# KiCad board FPGA-BOARDver3.kicad_pcb (continued)
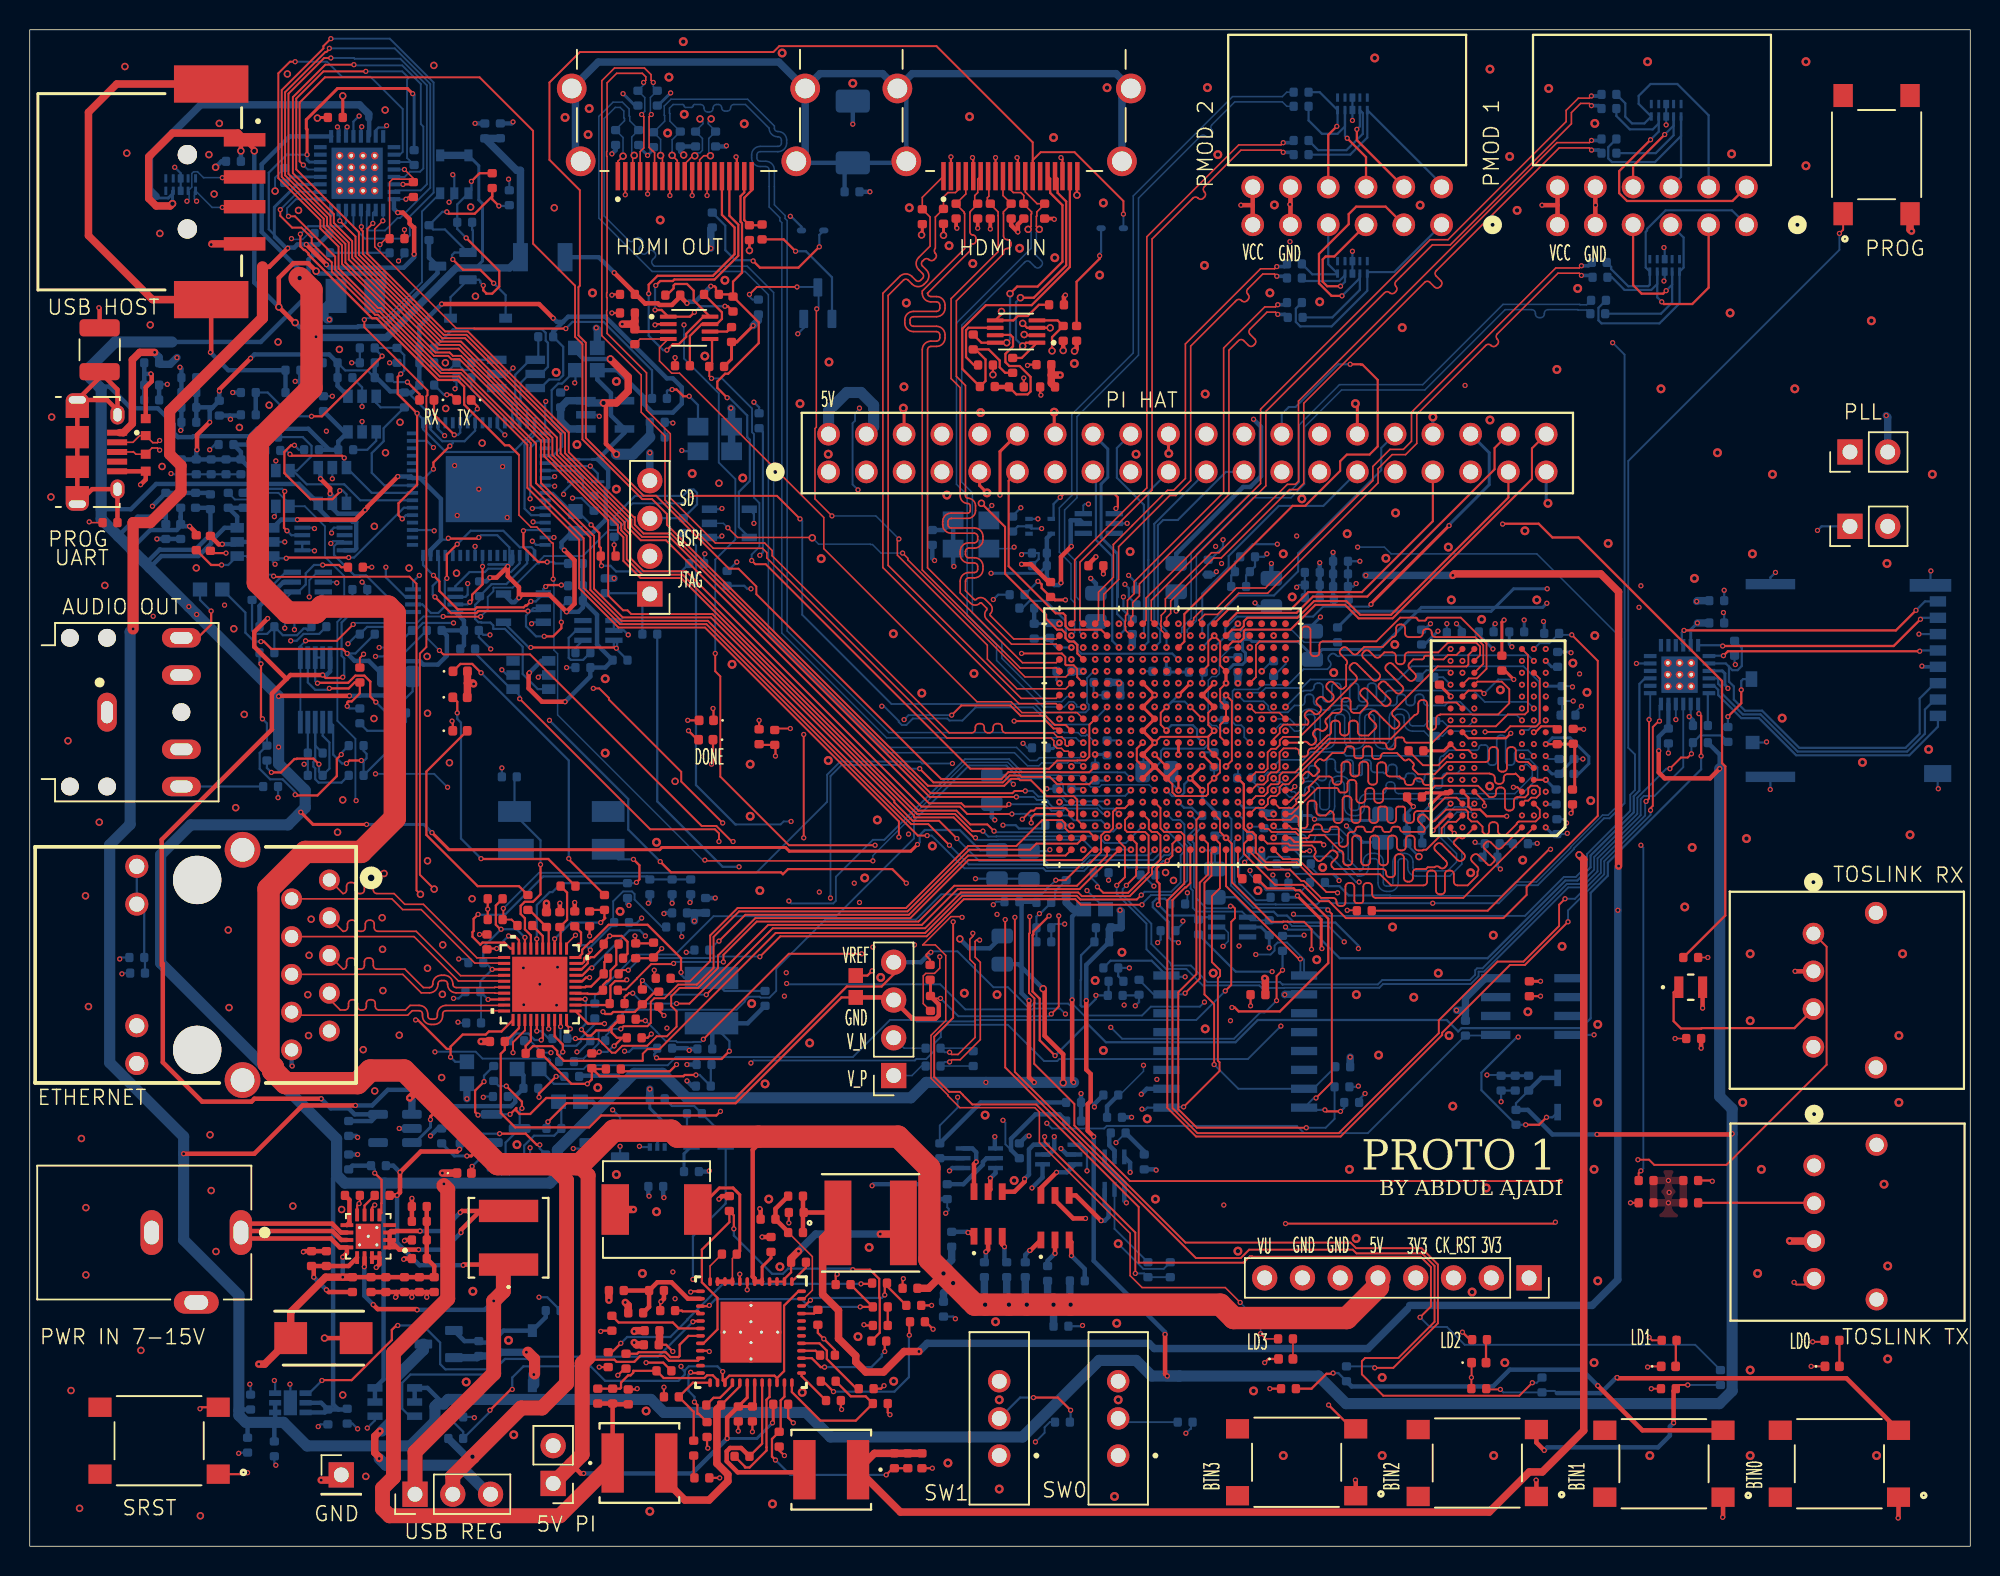
[diagram p0: board, top side]
## Routing (per net, layer and track width the routed paths; a pad name or vN(x,y) marks a point on that pad's centre or on a via; arc(x,y) is an arc through that point) (continued)
  Bottom w0.15: v1(36.25,46.25) 36.25,52.85 v1(30.35,58.75)
ETH_MDC: length 59
  Top w0.127: v1(32.5,33.2) 32.5,33.9 33.3,34.69 U12.13
  SIGNAL.Cu w0.127: v1(77.25,48.45) 77.25,48.04 77.61,47.68 77.61,46.52 77.79,46.35 77.79,44.68 77.29,44.18 77.29,42.92 75.86,41.49 71.6,41.49 70.76,40.64 70.57,40.64 69.9,39.97 62.31,39.97 60.93,41.35 50.26,41.35 42.13,33.21 42,33.21 41.79,33 41.79,32.87 41.57,32.65 33.05,32.65 v1(32.5,33.2)
ETH_MDIO: length 57
  Top w0.127: v1(74.75,43.8) 74.45,43.5 70.66,43.5 70.41,43.75 62.72,43.75 60.22,41.25 50.16,41.25 42.35,33.44 41.54,33.44 41.23,33.13 41.23,32.68
  Top w0.15: 41.23,32.68 41.2,32.65 35.92,32.65 35.48,33.09 35.48,33.31 35.15,33.63 33.84,33.63 R170.2 33.35,33.65 33.7,34 U12.14
  Bottom w0.127: v1(76.45,48.45) 76.45,48.16 77.61,47 77.61,46.7 77.4,46.49 77.4,44.66 76.77,44.02 74.97,44.02 v1(74.75,43.8)
ETH_RST_B: length 195.6
  Top w0.15: v1(46.45,29.25) 46.17,28.97 38.42,28.97 37.62,28.17 32.64,28.17 31.67,29.14 31.67,33.12 31.95,33.4 R182.1 32.01,33.95 32.9,34.84 U12.12
  SIGNAL.Cu w0.127: v1(94.35,43.25) 94.25,43.25 94.2,43.2 94.2,43.19 91.87,40.86 90.89,40.86 90.65,41.1 88.34,41.1 87.85,40.61 87.85,38.4
  SIGNAL.Cu w0.15: v1(80.3,22.95) 85.48,28.12 85.48,28.31 85.95,28.78 85.95,36.5 87.85,38.4
  SIGNAL2.Cu w0.127: v1(106.45,80.95) 106.3,80.8 78.7,80.8 72.45,74.55 72.45,71.35 v1(71.2,70.1)
  SIGNAL2.Cu w0.15: v1(80.3,22.95) 80.25,22.95 78.8,21.5 60.2,21.5 52.55,29.15 51.15,29.15 51.05,29.25 v1(46.45,29.25)
  Bottom w0.127: v1(81.25,47.65) 81.01,47.41 81.01,44.68 81.03,44.67 81.03,44.52 82.37,43.18 83.78,43.18 83.79,43.16 86.56,43.16 86.86,43.46 87.3,43.46 87.51,43.25 v1(94.35,43.25) 98.79,43.25 100.01,44.46 101.41,44.46 103.84,46.89 103.84,46.94 105.86,48.96 106.24,48.96 107.25,49.97 107.25,80.15 v1(106.45,80.95) ; U17.6 70.85,70 70.95,70.1 v1(71.2,70.1)
ETH_RXCK: length 34.8
  Top w0.127: R161.2 43.3,38 43.51,38 43.51,38 44.4,38 45.76,39.36 45.76,41.08 47.61,42.93 58.93,42.93 63.11,47.1 66.35,47.1 68.09,48.84 69.41,48.84 69.64,48.61 69.64,48.29 69.87,48.06 71.24,48.06 U1.B17
ETH_RXCTL: length 44.1
  Top w0.127: v1(41.2,38.05) 41.1,37.95 41.1,37.55 R162.2 41.05,37.6 ; U1.D13 75.26,48.84 75.26,48.24 75.46,48.04 75.81,48.04 76.04,47.81 76.04,46.19 75.47,45.62 75.47,45.23 73.97,43.73 70.75,43.73 70.51,43.97 62.62,43.97 60.21,41.56 49.97,41.56 v1(45.5,37.1)
  Bottom w0.127: v1(41.2,38.05) 42.15,37.1 v1(45.5,37.1)
ETH_RXD0: length 46.6
  Top w0.127: v1(49.1,39.65) 50.47,41.02 60.32,41.02 62.81,43.52 70.32,43.52 70.69,43.15 v1(74.8,43.15) ; R166.2 39.85,38.75 v1(40.25,38.75)
  Bottom w0.127: v1(76.44,49.28) 76.87,48.85 77.36,48.85 77.65,48.56 77.65,47.29 77.84,47.09 77.84,44.78 76.86,43.8 ; v1(49.1,39.65) 49.09,39.66 46.06,39.66 45.96,39.56 41.06,39.56 v1(40.25,38.75) ; 76.86,43.8 75.4,43.8 74.8,43.2 v1(74.8,43.15)
ETH_RXD1: length 37.3
  Top w0.127: 39.55,37.45 40.1,37.45 40.84,38.19 40.84,38.2 41.79,39.16 43.26,39.16 v1(43.3,39.2) ; U1.A16 72.45,46.45 70.43,44.43 62.18,44.43 59.77,42.02 48.89,42.02 46.65,39.78 v1(46.65,39.3)
  Bottom w0.127: v1(46.65,39.3) 43.4,39.3 v1(43.3,39.2)
ETH_RXD2: length 40.9
  Top w0.127: v1(55.95,39.85) 51.05,39.85 v1(45.3,34.1) ; R164.2 40.85,35.35 v1(41.4,35.35)
  SIGNAL2.Cu w0.127: v1(73.24,50.86) 71.66,50.86 63.06,42.26 63.06,42.15 62.85,41.94 62.74,41.94 61,40.2 60.86,40.2 60.75,40.31 60.45,40.31 60.19,40.05 59.3,40.05 58.6,40.75 57.75,40.75 56.85,39.85 v1(55.95,39.85)
  Bottom w0.127: v1(45.3,34.1) 45.12,33.92 44.63,33.92 44.61,33.9 43.54,33.9 43.47,33.97 42.78,33.97 42.16,34.59 42.16,34.6 41.41,35.35 v1(41.4,35.35)
ETH_RXD3: length 38.4
  Top w0.127: U1.A15 70.6,44.2 62.4,44.2 59.99,41.79 49.66,41.79 44.36,36.5 v1(43.5,36.5) ; R163.2 40,36.95 40.1,37.05 40.15,37.05 40.3,37.2 v1(40.55,37.2)
  Bottom w0.127: v1(40.55,37.2) 41.25,36.5 v1(43.5,36.5)
ETH_TD0_N: length 16.1
  Top w0.104: U12.2 31.88,39.22 29.93,39.22 26.33,42.82 25.08,42.82 24.35,43.54 J12.2
ETH_TD0_P: length 16.1
  Top w0.104: U12.1 31.88,39.58 30.07,39.58 26.47,43.18 25.22,43.18 24.5,43.9 23.35,43.9 arc(23.18,43.97) 23.11,44.14 23.11,44.41 arc(23.04,44.58) 22.87,44.65 22.75,44.65 arc(22.58,44.58) 22.51,44.41 22.51,44.14 arc(22.44,43.97) 22.27,43.9 22.15,43.9 arc(21.98,43.97) 21.91,44.14 21.91,44.41 arc(21.84,44.58) 21.67,44.65 21.55,44.65 arc(21.38,44.58) 21.31,44.41 21.31,44.14 arc(21.24,43.97) 21.07,43.9 J12.1
ETH_TD1_N: length 15.5
  Top w0.104: J12.4 25.84,41 28.83,38.02 31.88,38.02 U12.5
ETH_TD1_P: length 15.5
  Top w0.104: J12.3 21.07,41.36 21.13,41.36 arc(21.3,41.43) 21.37,41.6 21.37,41.87 arc(21.44,42.04) 21.61,42.11 21.73,42.11 arc(21.9,42.04) 21.97,41.87 21.97,41.6 arc(22.04,41.43) 22.21,41.36 22.33,41.36 arc(22.5,41.43) 22.57,41.6 22.57,41.87 arc(22.64,42.04) 22.81,42.11 22.93,42.11 arc(23.1,42.04) 23.17,41.87 23.17,41.6 arc(23.24,41.43) 23.41,41.36 25.99,41.36 28.97,38.38 31.88,38.38 U12.4
ETH_TD2_N: length 15.8
  Top w0.104: J12.6 25.08,38.46 26.33,37.22 26.88,37.22 arc(27.28,37.39) 27.45,37.8 27.45,37.83 arc(27.52,37.98) 27.68,38.05 27.88,38.05 arc(28.03,37.98) 28.1,37.83 28.1,37.8 arc(28.27,37.39) 28.68,37.22 31.27,37.22 31.29,37.2 U12.7
ETH_TD2_P: length 15.8
  Top w0.104: J12.5 21.07,38.82 arc(21.24,38.89) 21.31,39.06 21.31,39.33 arc(21.38,39.5) 21.55,39.57 21.67,39.57 arc(21.84,39.5) 21.91,39.33 21.91,39.06 arc(21.98,38.89) 22.15,38.82 22.27,38.82 arc(22.44,38.89) 22.51,39.06 22.51,39.33 arc(22.58,39.5) 22.75,39.57 22.87,39.57 arc(23.04,39.5) 23.11,39.33 23.11,39.06 arc(23.18,38.89) 23.35,38.82 25.23,38.82 26.47,37.58 26.88,37.58 arc(27.03,37.64) 27.1,37.8 27.1,37.83 arc(27.27,38.24) 27.68,38.4 27.88,38.4 arc(28.28,38.24) 28.45,37.83 28.45,37.8 arc(28.52,37.64) 28.68,37.58 31.27,37.58 31.29,37.6 U12.6
ETH_TD3_N: length 15.7
  Top w0.104: J12.8 17.82,35.72 25.42,35.72 25.72,36.02 26.19,36.02 arc(26.35,35.96) 26.41,35.8 26.41,35.67 arc(26.58,35.26) 26.99,35.1 27.19,35.1 arc(27.6,35.26) 27.77,35.67 27.77,35.8 arc(27.83,35.96) 27.99,36.02 31.88,36.02 U12.10
ETH_TD3_P: length 15.7
  Top w0.104: J12.7 20.15,36.8 20.88,36.07 21.2,36.07 arc(21.37,36.14) 21.44,36.31 21.44,36.52 arc(21.51,36.69) 21.68,36.76 21.8,36.76 arc(21.97,36.69) 22.04,36.52 22.04,36.31 arc(22.11,36.14) 22.28,36.07 22.4,36.07 arc(22.57,36.14) 22.64,36.31 22.64,36.52 arc(22.71,36.69) 22.88,36.76 23,36.76 arc(23.17,36.69) 23.24,36.52 23.24,36.31 arc(23.31,36.14) 23.48,36.07 25.27,36.07 25.58,36.38 26.19,36.38 arc(26.6,36.21) 26.77,35.8 26.77,35.67 arc(26.83,35.52) 26.99,35.45 27.19,35.45 arc(27.35,35.52) 27.41,35.67 27.41,35.8 arc(27.58,36.21) 27.99,36.38 31.88,36.38 U12.9
ETH_TXCLK: length 13.5
  Top w0.15: v1(36.35,34.8) 36.1,35.05 U12.20
  SIGNAL.Cu w0.15: v1(36.35,34.8) 36.55,34.8 37.3,35.55 38.68,35.55 38.92,35.79 38.92,38.02 40.26,39.36 40.86,39.36 41.84,38.38 42.16,38.38 42.92,39.14 42.92,39.36 43.52,39.95 v1(44.15,39.95)
  Bottom w0.15: R239.2 44.55,39.95 v1(44.15,39.95)
ETH_TXCTL: length 5
  Top w0.15: U12.19 v1(35.7,34.95)
  Bottom w0.15: R235.2 38,35.12 37.08,34.19 37.08,33.97 36.77,33.66 35.88,33.66 35.7,33.85 35.7,34.94 v1(35.7,34.95)
ETH_TXD0: length 3.1
  Top w0.15: U12.18 35.3,34.3 35.85,33.75 v1(35.85,33.25)
  Bottom w0.15: R234.2 35.6,33 v1(35.85,33.25)
ETH_TXD1: length 4.4
  Top w0.15: U12.17 v1(34.9,34.8)
  SIGNAL.Cu w0.15: v1(36.8,33.25) 36.38,33.25 34.9,34.73 v1(34.9,34.8)
  Bottom w0.15: v1(36.8,33.25) 36.95,33.25 R236.2
ETH_TXD2: length 3.9
  Top w0.15: v1(34.4,34.05) 34.5,34.15 U12.16
  Bottom w0.15: R237.2 32.73,34.48 33.52,34.48 33.96,34.05 v1(34.4,34.05)
ETH_TXD3: length 2
  Top w0.15: v1(34.1,34.65) U12.15
  Bottom w0.15: v1(34.1,34.65) 34.4,34.65 34.9,34.15 R238.2
ETH_VCC1V0: length 46.2
  Top w0.15: v1(47.05,33.3) 46.53,32.77 42.23,32.77 v1(42.15,32.85) ; U12.8 31.87,36.77 v1(30.83,36.77) ; v1(31.1,38.8) U12.3 ; U12.21 37.55,35.15 v1(38.65,35.15) ; U12.38 v1(33.3,40.95) ; v1(31.7,41.5) 31.65,41.5 31.34,41.8 31.34,43.09 C53.1
  SIGNAL.Cu w0.15: v1(30.83,36.77) 32.28,35.32 35.08,35.32 35.28,35.12 35.28,34.84 36.34,33.77 37.28,33.77 v1(38.65,35.15) 38.95,34.85 38.95,34.77 39.34,34.38 39.45,34.38 40,33.82 v1(40,33.3)
  Bottom w0.127: C55.1 30.35,37.25 C54.1
  Bottom w0.15: v1(33.3,40.95) 32.75,41.5 v1(31.7,41.5) 30.5,40.3 C57.1 30.65,39.25 v1(31.1,38.8) 30.3,38 C55.1 v1(30.83,36.77) ; v1(40,33.3) 40.05,33.25 40.3,33.25 40.55,33.5 C64.1 42.2,33.3 42,33.1 42,33 v1(42.15,32.85) ; v1(47.05,33.3) 47.05,33.97 L2.2
  Bottom w0.3: R180.2 48.28,35.17 L2.2 45.9,35.12 C65.1
ETH_VCC1V8: length 36.6
  Top w0.15: R168.1 37.85,32.1 R160.1 ; R168.1 38.34,31.61 43.97,31.61 44.05,31.7 v1(44.8,31.7) ; R168.1 37.8,31.4 v1(37.5,31.1) 36.43,31.1 34.38,33.15 R170.1 ; U12.28 37.11,38.8 37.53,39.22 37.53,39.43 37.73,39.62 37.96,39.62 38.6,40.27 R167.1 38.6,40.65 v1(39,41.05) 39.81,41.05 40.2,40.66 40.2,39.85 R169.1
  SIGNAL2.Cu w0.15: v1(37.5,31.1) 37.5,33.02 38.17,33.7 38.17,40.22 v1(39,41.05)
  Bottom w0.15: C74.1 45.8,32.35 C75.1 45.05,31.7 v1(44.8,31.7) ; FL4.2 35.25,31.1 v1(37.5,31.1)
GPIO_0(EEPROM_SDA): length 69
  Top w0.15: v1(99.05,68.75) 99.08,68.77 101.48,68.77 102.4,67.85 104.15,67.85 113.81,58.2 113.81,52.67 114.02,52.46 114.02,42.42 R191.1
  SIGNAL.Cu w0.14: 79.45,63.6 78.43,62.58 78.43,60.03 v1(78.05,59.65)
  SIGNAL.Cu w0.2: 79.45,63.6 86.74,70.89 J14.27
  SIGNAL2.Cu w0.15: J14.27 88.9,70.1 97.75,70.1 99.05,68.8 v1(99.05,68.75)
GPIO_1(EEPROM_SCL): length 33.8
  SIGNAL.Cu w0.2: v1(77.23,59.64) 77.23,60.67 77.66,61.1 77.66,62.81 82.85,68 82.85,72.65 83.75,73.55 85.49,73.55 J14.28
  Bottom w0.15: v1(77.23,59.64) 76.84,60.04 74.69,60.04 74.68,60.03 70.72,60.03 70.45,60.3 70.45,60.65 70.22,60.88 69.81,60.88 69.67,61.02 69.67,62.23 68.32,63.58 67.24,63.58 66.76,63.1 R192.1 66.79,63.1
GPIO_2(I2C1_SDA): length 145
  Top w0.127: v1(84.45,21.7) 102.5,21.7 v1(102.6,21.8) ; v1(52.05,54.6) v1(52.05,47.65)
  Top w0.15: R189.1 v1(107.65,23.1)
  SIGNAL.Cu w0.2: v1(72.47,58.85) 72.05,59.28 72.05,59.82 72.28,60.05 72.62,60.05 72.85,60.28 72.85,69.15 69.92,72.08 69.92,75.96 69.1,76.78 59.73,76.78 58.71,75.76 58.38,75.76 57.22,74.6 57.22,73.22 J14.3
  SIGNAL2.Cu w0.127: v1(52.05,54.6) 55.6,58.15 57.7,58.15 58.8,59.25 72.08,59.25 v1(72.47,58.85) ; v1(102.6,21.8) 106.35,21.8 v1(107.65,23.1) ; v1(52.05,47.65) 50.69,46.29 50.69,39.28 51.31,38.66 51.31,31.39 59.15,23.55 59.15,23.17 60.28,22.04 70.44,22.04 71.1,22.7 79.54,22.7 80.15,23.31 82.84,23.31 v1(84.45,21.7)
GPIO_3(I2C1_SCL): length 127.1
  Top w0.127: R190.1 108.2,25.1 v1(108.35,25.25)
  SIGNAL.Cu w0.2: v1(70.05,59.65) 70.05,60.05 69.88,60.05 68.85,61.08 68.85,62.17 58.8,72.22 J14.5
  SIGNAL2.Cu w0.127: J14.5 59.69,73.15 61,73.15 62.27,74.42 62.27,74.49 63.5,75.73 67.08,75.73 72.86,81.5 107,81.5 107.69,80.81 107.69,47.81 v1(108.35,47.15)
  Bottom w0.127: v1(108.35,47.15) 108.51,46.99 108.51,25.41 v1(108.35,25.25)
GPIO_4(GPCLK0): length 17.3
  Top w0.14: U1.U18 70.45,60.05 70.45,60.62 70.22,60.85 69.88,60.85 69.65,61.09 69.65,61.42 69.41,61.65 69.08,61.65 68.35,62.39 68.35,62.65 65.59,65.41 65.59,68.56 v2(64,70.15)
  SIGNAL.Cu w0.14: J14.7 63.45,70.15 v2(64,70.15)
GPIO_5: length 17.1
  Bottom w0.14: J14.29 86.99,69.97 84,69.97 80.63,66.6 80.63,65.85 78.85,64.08 v1(78.85,61.22)
GPIO_6: length 20
  SIGNAL.Cu w0.14: v1(78.85,59.65) 79.22,60.02 79.22,60.63 79.3,60.71 79.3,62.25 80.35,63.3
  SIGNAL.Cu w0.2: 80.35,63.3 81.68,63.3 88.78,70.4 90.9,70.4 91.82,71.32 J14.31
GPIO_7(SPI0_CE1): length 34.6
  Top w0.14: U1.V10 77.65,60.85 77.65,62.7 84.93,69.98 85.78,69.98 88.13,72.33 88.13,72.97 88.58,73.42 90.1,73.42 90.65,73.97 90.65,78.45 89.63,79.47 89.52,79.47 89.5,79.5 v1(88.8,79.5)
  Bottom w0.14: J14.26 84.2,76.15 84.67,76.62 85.13,76.62 88,79.5 v1(88.8,79.5)
GPIO_8(SPI0_CE0): length 17.6
  SIGNAL.Cu w0.2: J14.24 80.7,73.84 80.7,72.48 78.45,70.23 78.45,65.65 76.05,63.25 76.05,61.09 76.05,61.09 76.05,60.06 v1(75.65,59.66)
GPIO_9(SPI_MISO): length 13.6
  Bottom w0.14: J14.21 75.63,68.77 75.63,62.02 76.02,61.63 76.02,60.82 v1(75.64,60.44)
GPIO_10(SPI_MOSI): length 12.5
  Bottom w0.14: 75.23,66.35 75.23,70.91 J14.19
  Bottom w0.15: v1(74.85,60.45) 75.23,60.82 75.23,66.35
GPIO_11(SPI0_SCLK): length 15.7
  Bottom w0.14: J14.23 80.44,72.26 77.2,69.03 76.22,69.03 75.86,68.67 75.86,62.12 76.45,61.54 v1(76.45,60.45)
GPIO_12(PWM0): length 21.1
  Bottom w0.14: v1(78.85,60.45) 79.25,60.85 79.25,61.95 81.25,63.95 83.68,63.95 85.3,65.57 85.3,66.79 90.89,72.38 90.89,73.87 J14.32
GPIO_13(PWM1): length 20.9
  Top w0.14: J14.33 94.36,68.95 89.59,64.17 85.97,64.17 84.82,63.02 80.62,63.02 U1.Y7
GPIO_14(UART_TX): length 20.6
  SIGNAL.Cu w0.14: v1(70.84,60.44) 70.84,60.72 70.45,61.11 70.45,62.85
  SIGNAL.Cu w0.2: J14.8 62.34,73.8 66.24,73.8 67.38,72.66 67.38,71.72 68.15,70.95 68.15,70.04 68.5,69.69 68.5,66.4 70.45,64.45 70.45,62.85
GPIO_15(UART_RX): length 21.8
  SIGNAL.Cu w0.2: v1(71.64,60.44) 71.25,60.83 71.25,64.08 68.8,66.53 68.8,69.81 68.45,70.16 68.45,71.15 67.75,71.85 67.75,75.9 67.45,76.2 67.45,76.25 67.3,76.4 65.48,76.4 J14.10
GPIO_16: length 27.3
  Top w0.2: v1(90.2,63.35) 90.2,63.4 v1(95.45,68.65)
  Bottom w0.14: v1(79.65,60.45) 80.4,61.2 80.4,61.75 81.18,62.53 86.3,62.53 86.98,63.2 90.05,63.2 v1(90.2,63.35)
  Bottom w0.2: v1(95.45,68.65) 95.45,68.7 98.15,71.4 98.15,73.55 J14.36
GPIO_17: length 15.6
  Top w0.14: J14.11 65.83,71.67 65.83,65.92 69,62.75 69.5,62.75 69.65,62.6 69.65,61.89 69.89,61.65 72.05,61.65 U1.W16
GPIO_18(PCM_CLK): length 18.7
  Top w0.2: J14.12 65.25,73.63 v1(65.25,70.7)
  SIGNAL.Cu w0.14: v1(71.65,59.65) 71.11,59.65 70.42,60.34 70.42,60.6 70.13,60.89 69.91,60.89 69.65,61.15 69.65,62.45 69.4,62.7
  SIGNAL.Cu w0.2: v1(65.25,70.7) 65.25,66.85 69.4,62.7
GPIO_19(PCM_FS): length 22.5
  SIGNAL.Cu w0.2: J14.35 92.24,67.6 87.6,67.6 v1(79.65,59.65)
GPIO_20(PCM_DIN): length 25.1
  Top w0.14: U1.Y6 81.18,62.78 85.2,62.78 86.29,63.88 89.95,63.88 98.51,72.43 98.51,73.87 J14.38
GPIO_21(PCM_DOUT): length 29.7
  Top w0.14: J14.40 101.02,73.84 101.02,71.79 91.65,62.41 89.37,62.41 88.46,63.32 86.46,63.32 84.79,61.65 81.75,61.65 81.65,61.55 81.65,61.08 81.42,60.85 80.9,60.85 80.5,60.45 U1.V6
GPIO_22: length 12.5
  Bottom w0.15: J14.15 71.7,72.06 71.7,67.69 72.8,66.59 72.8,60.9 v1(73.25,60.45)
GPIO_23: length 15
  Bottom w0.15: v1(73.25,61.25) 73.63,61.62 73.63,62.21 73.13,62.71 73.13,63.82 73.15,63.85
  Bottom w0.2: J14.16 72.5,73.8 72.5,71.9 72.05,71.45 72.05,67.85 73.15,66.75 73.15,63.85
GPIO_24: length 14.7
  Bottom w0.14: 74.93,70.01 74.93,70.04 73.11,71.87 73.11,73.87 J14.18
  Bottom w0.15: v1(74.85,61.25) 74.93,61.33 74.93,70.01
GPIO_25: length 16.9
  SIGNAL.Cu w0.14: v1(74.85,59.66) 75.22,60.04 75.22,63.22 75.6,63.6
  SIGNAL.Cu w0.2: 75.6,63.6 77.54,65.54 77.54,73.22 J14.22
GPIO_26: length 25.5
  Top w0.14: J14.37 99.44,70.54 91.55,62.65 89.47,62.65 88.55,63.57 86.37,63.57 85.25,62.45 81.88,62.45 81.65,62.22 81.65,61.88 81.42,61.65 80.85,61.65 U1.W6
GPIO_27: length 13.6
  SIGNAL.Cu w0.2: v1(72.45,60.45) 72.45,63.3 69.1,66.65 69.1,69.93 68.75,70.28 68.75,71.27 68.55,71.47 68.55,71.85 J14.13
HDMI_RX_5V0: length 26.1
  Top w0.15: J11.18 69.95,86.05 67.38,83.47 64.3,83.47 62.71,81.89 62.71,79.18 R241.1 64.27,78.38 64.27,79.82 63.6,80.5 R132.2 64.48,80.5 65.23,79.75 65.23,79.29 65.6,78.92 R133.2
HDMI_RX_CEC: length 118.5
  Top w0.127: v1(73.55,89.6) 73.55,90.48 70.26,93.76 67.99,93.76 67.45,93.23 J11.13 67.45,94.42 60.98,100.9 50.41,100.9 50.01,100.5 37,100.5 34.95,98.45 34.95,93.25 37,91.2 37,84.79 36.9,84.69 36.9,81.44 37.4,80.95 37.4,74.54 41.28,70.66 42.12,70.66 47.03,65.75 47.66,65.75 48.86,64.55 48.86,64.04 61.3,51.6 65.35,51.6 65.81,52.07 66.7,52.07 66.71,52.06 71.26,52.06 U1.H17
  Bottom w0.127: v1(73.55,89.6) D26.C
HDMI_RX_CLK_N: length 44.5
  Top w0.104: J11.12 66.95,91.1 67.75,90.3 R134.1 68.25,90.27 67.73,89.75 67.73,89.48 67.7,89.45 67.7,88.77 v2(67.89,88.58)
  Bottom w0.104: v1(70.04,57.25) 69.94,57.16 69.76,57.16 69.41,56.8 68.3,56.8 65.38,59.72 65.38,60.77 63.39,62.76 63.39,70.86 62.68,71.57 62.68,82.13 66.85,86.3 66.93,86.38 arc(67.1,86.45) 67.27,86.38 67.61,86.04 arc(67.78,85.97) 67.95,86.04 68.04,86.12 arc(68.11,86.29) 68.04,86.46 67.7,86.81 arc(67.63,86.97) 67.7,87.14 67.7,88.38 v2(67.89,88.58)
  Bottom w0.2: v1(70.04,57.25) 69.98,57.2
HDMI_RX_CLK_P: length 44.3
  Top w0.104: v2(67.14,88.58) 67.34,88.77 67.34,89.59 67.37,89.62 67.37,89.75 66.85,90.27 R135.1 66.85,90.85 66.65,91.05 66.15,91.05 65.95,91.25 J11.10
  Bottom w0.104: v1(70.85,56.45) 70.4,56.45 70.4,56.6 70.2,56.8 69.9,56.8 69.55,56.45 68.15,56.45 65.02,59.58 65.02,60.63 63.04,62.61 63.04,70.71 62.32,71.43 62.32,82.27 67.34,87.29 67.34,88.38 v2(67.14,88.58)
HDMI_RX_D0_N: length 45.2
  Top w0.104: 66,90.27 65.48,89.75 65.48,89.63 65.49,89.62 65.49,88.12 arc(65.56,87.95) 65.73,87.88 65.74,87.88 arc(65.91,87.81) 65.98,87.64 65.98,87.52 arc(65.91,87.35) 65.74,87.28 65.73,87.28 arc(65.56,87.21) 65.49,87.04 65.49,86.93 62.32,83.77 62.32,78.68 62.93,78.07 62.93,70.65 arc(62.97,70.54) 63.09,70.49 arc(63.45,70.34) 63.6,69.97 63.6,69.65 arc(63.45,69.29) 63.09,69.14 61.97,69.14 arc(61.82,69.07) 61.75,68.91 61.75,68.71 arc(61.82,68.56) 61.97,68.49 63.53,68.49 arc(63.94,68.32) 64.1,67.91 64.1,67.71 arc(63.94,67.3) 63.53,67.14 63.15,67.14 arc(62.99,67.07) 62.93,66.91 62.93,66.71 arc(62.99,66.56) 63.15,66.49 63.53,66.49 arc(63.94,66.32) 64.1,65.91 64.1,65.71 arc(63.94,65.3) 63.53,65.14 63.15,65.14 arc(62.99,65.07) 62.93,64.91 62.93,64.27 63.52,63.68 arc(63.58,63.65) 63.64,63.68 arc(63.95,63.81) 64.27,63.68 64.6,63.35 arc(64.73,63.03) 64.6,62.72 arc(64.58,62.66) 64.6,62.6 66.17,61.03 69.03,61.03 U1.W20 ; R136.1 65.45,90.85 J11.9
HDMI_RX_D0_P: length 45.2
  Top w0.104: J11.7 64.5,92.1 64.5,90.8 64.4,90.7 64.4,90.5 R137.1 ; 64.6,90.27 65.12,89.75 65.12,89.5 65.13,89.49 65.13,87.08 61.96,83.91 61.96,78.54 62.57,77.93 62.57,70.65 arc(62.72,70.29) 63.09,70.14 arc(63.2,70.09) 63.25,69.97 63.25,69.65 arc(63.2,69.54) 63.09,69.49 61.97,69.49 arc(61.56,69.32) 61.4,68.91 61.4,68.71 arc(61.56,68.3) 61.97,68.14 63.53,68.14 arc(63.68,68.07) 63.75,67.91 63.75,67.71 arc(63.68,67.56) 63.53,67.49 63.15,67.49 arc(62.74,67.32) 62.57,66.91 62.57,66.71 arc(62.74,66.3) 63.15,66.14 63.53,66.14 arc(63.68,66.07) 63.75,65.91 63.75,65.71 arc(63.68,65.56) 63.53,65.49 63.15,65.49 arc(62.74,65.32) 62.57,64.91 62.57,64.13 63.27,63.43 arc(63.58,63.3) 63.89,63.43 arc(63.95,63.45) 64.02,63.43 64.35,63.09 arc(64.38,63.03) 64.35,62.97 arc(64.22,62.66) 64.35,62.35 66.03,60.67 69.03,60.67 U1.V20
  Top w0.177: R137.1 64.6,90.27
HDMI_RX_D1_N: length 45.7
  Top w0.104: 63.75,90.27 63.25,89.77 63.25,89.71 63.23,89.69 63.23,88.4 arc(63.29,88.25) 63.43,88.19 arc(63.57,88.13) 63.63,87.99 63.63,87.8 arc(63.57,87.65) 63.43,87.59 arc(63.29,87.53) 63.23,87.39 63.23,87.13 60.38,84.28 arc(60.44,84.12) 60.6,84.05 60.98,84.05 arc(61.39,83.88) 61.55,83.48 61.55,83.28 arc(61.39,82.87) 60.98,82.7 59.42,82.7 arc(59.27,82.63) 59.2,82.48 59.2,82.28 arc(59.27,82.12) 59.42,82.05 60.98,82.05 arc(61.39,81.88) 61.55,81.48 61.55,81.28 arc(61.39,80.87) 60.98,80.7 60.6,80.7 arc(60.44,80.63) 60.38,80.48 60.38,65.81 66.76,59.43 69.03,59.43 U1.U20 ; J11.6 63.75,91.95 63.75,91.05 63.55,90.85 63.55,90.5 R138.1
  Top w0.177: R138.1 63.75,90.27
HDMI_RX_D1_P: length 45.9
  Top w0.104: U1.T20 69.03,59.07 66.61,59.07 60.02,65.66 60.02,80.48 arc(60.19,80.88) 60.6,81.05 60.98,81.05 arc(61.13,81.12) 61.2,81.28 61.2,81.48 arc(61.13,81.63) 60.98,81.7 59.42,81.7 arc(59.01,81.87) 58.85,82.28 58.85,82.48 arc(59.01,82.88) 59.42,83.05 60.98,83.05 arc(61.13,83.12) 61.2,83.28 61.2,83.48 arc(61.13,83.63) 60.98,83.7 60.6,83.7 arc(60.19,83.87) 60.02,84.28 60.02,84.42 62.87,87.27 62.87,89.63 62.85,89.65 62.85,89.72 62.3,90.27 ; R139.1 62.95,90.95 J11.4
HDMI_RX_D2_N: length 46
  Top w0.104: J11.3 62.45,91.25 62.25,91.05 61.75,91.05 61.45,90.75 R140.1 60.9,89.4 60.9,87.3 arc(60.83,87.13) 60.9,86.96 60.9,86.96 arc(60.97,86.79) 60.9,86.62 60.82,86.54 arc(60.65,86.47) 60.48,86.54 60.48,86.54 arc(60.31,86.61) 60.14,86.54 60.03,86.43 arc(59.97,86.27) 60.03,86.12 60.3,85.85 arc(60.47,85.44) 60.3,85.03 60.16,84.89 arc(59.75,84.72) 59.34,84.89 59.07,85.16 arc(58.92,85.22) 58.76,85.16 57.73,84.13 57.73,65.97 66.67,57.03 69.03,57.03 U1.P20
HDMI_RX_D2_P: length 45.9
  Top w0.104: J11.1 60.02,90.72 R141.1 60.55,89.4 60.55,87.45 59.78,86.68 arc(59.61,86.27) 59.78,85.86 60.05,85.6 arc(60.11,85.44) 60.05,85.28 59.91,85.14 arc(59.75,85.08) 59.59,85.14 59.32,85.41 arc(58.92,85.58) 58.51,85.41 57.37,84.27 57.37,65.83 66.53,56.67 69.03,56.67 U1.N20
HDMI_RX_HPD: length 28.8
  Top w0.1: v1(46.95,68.5) 47.6,67.85 52.6,67.85 v2(52.62,67.82) ; U1.T19 69.67,58.47 66.93,58.47 59.05,66.35 59.05,66.45 v1(58.7,66.8)
  Bottom w0.1: U11.2 46.65,68.8 v1(46.95,68.5) ; v1(58.7,66.8) 57.25,66.8 56.67,67.38 56.56,67.38 56.53,67.4 53.05,67.4 v2(52.62,67.82)
HDMI_RX_SCL: length 34.4
  Top w0.15: R129.1 67.86,83.5 67.11,82.75 66.45,82.75 66.15,82.45 U24.5 65.35,82.87 v2(65.35,83.05)
  SIGNAL.Cu w0.15: v2(65.35,83.05) 65.58,83.27 68.58,83.27 73.06,78.79 73.06,71.91 74.48,70.5 74.48,60.07 74.06,59.66 v1(74.06,59.65)
HDMI_RX_SCL_LS: length 16.5
  Top w0.15: v2(65.92,84.25) 66.4,84.72 67.77,84.72 69.45,86.4 69.45,90.2 68.63,91.02 68.63,91.97 J11.15 ; v2(65.7,80.95) U24.8 64,80.95 R132.1
  Bottom w0.15: v2(65.7,80.95) 65.92,81.17 v2(65.92,84.25)
HDMI_RX_SDA: length 28.4
  Top w0.15: v2(68.75,80.4) 68.75,81.32 R130.1 69.13,82.45 U24.4
  SIGNAL.Cu w0.15: v2(68.75,80.4) 68.75,80.38 70.8,78.32 72.65,78.32 72.81,78.16 72.81,71.65 73.68,70.78 73.68,69.21 73.17,68.71 73.17,63.69 73.68,63.19 73.68,60.08 v1(73.25,59.64)
HDMI_RX_SDA_LS: length 17
  Top w0.15: v2(66.77,80.72) 67,80.95 U24.1 66.71,79.92 R133.1 ; J11.16 69.13,91.97 69.13,91.02 69.7,90.45 69.7,86.15 67.52,83.97 v2(66.63,83.97)
  Bottom w0.15: v2(66.63,83.97) 66.33,83.67 66.33,81.17 v2(66.77,80.72)
HDMI_TX_5V0: length 45.3
  Top w0.15: v1(46.9,77.25) 46.24,77.91 46.24,78.34 46.77,78.86 46.97,78.86 49.03,80.92 49.03,82.32 R126.2 ; R126.2 47.3,85.05 47.9,85.66 47.9,89 47.8,89.1 47.8,90.8 48.05,91.05 J10.18 ; R126.2 47.14,84.2 R240.1 46.15,84.39 46.15,84.65 46.05,84.75 v1(45.8,84.75) ; v1(39.31,85.66) 39.31,85.59 C25.1 41.33,83.56 41.4,83.56
  Top w0.3: v1(44.2,83.6) 43.75,84.05 43.75,84.05 43.19,83.49 42.35,83.49 42.24,83.6 41.44,83.6 41.4,83.56 v1(39.31,85.66)
  Bottom w0.15: U11.5 47.69,68.55 47.69,70.92 48.42,71.65 48.42,74.42 48.25,74.6 48.25,76.05 47.05,77.25 v1(46.9,77.25)
  Bottom w0.3: v1(44.2,83.6) 44.3,83.7 44.75,83.7 v1(45.8,84.75) ; F1.1 38.27,86.7 v1(39.31,85.66)
HDMI_TX_CEC: length 81.7
  Top w0.1: v1(45.55,90.85) J10.13
  Top w0.127: v1(46.1,60.05) 46.1,58.85 46.44,58.51 46.44,51.76 51.06,47.15 v1(56.85,47.15)
  SIGNAL2.Cu w0.1: 45.55,90.8 v1(45.55,90.85) 45.45,90.75
  SIGNAL2.Cu w0.126: v1(44,82.15) 44,82.81 45.44,84.25 45.44,90.74 v1(45.55,90.85) 49.75,90.85 v1(51.15,89.45)
  SIGNAL2.Cu w0.127: v1(73.25,51.66) 72.91,52 61.7,52 v1(56.85,47.15)
  Bottom w0.1: 44,81.5 v1(44,82.15)
  Bottom w0.127: 44,81.5 44,79.89 46.34,77.55 46.34,72.89 47.45,71.78 47.45,67.71 46.1,66.36 v1(46.1,60.05)
  Bottom w0.15: v1(51.15,89.45) 51.2,89.45 51.9,88.75 D27.C
HDMI_TX_CLK_N: length 73.4
  Top w0.104: J10.12 45.05,93.25 45.33,93.52 v2(45.78,93.52)
  SIGNAL.Cu w0.11: v2(45.83,96) 45.63,96.2 45.63,96.82 44.21,98.25 44.21,98.65 44.57,99.02 arc(44.74,98.95) 44.81,98.78 44.81,98.33 arc(44.88,98.16) 45.05,98.09 45.17,98.09 arc(45.34,98.16) 45.41,98.33 45.41,98.78 arc(45.48,98.95) 45.65,99.02 48.58,99.02 49.3,98.3 49.3,69.18 62.55,55.92 67.85,55.92 69.18,54.59 70.07,54.59 70.67,55.2 70.69,55.2 70.71,55.22 71.01,55.22 71.03,55.2 71.62,55.2 71.65,55.17 v1(71.65,54.83)
  Bottom w0.104: v2(45.83,96) 45.63,95.8 45.63,95.68 46.12,95.18 R144.1 45.66,94.69 45.66,93.64 v2(45.78,93.52)
HDMI_TX_CLK_P: length 73.4
  Top w0.104: v2(44.73,93.52) 44.59,93.52 44.05,92.97 J10.10
  SIGNAL.Cu w0.11: v2(45.08,96) 45.27,96.2 45.27,96.68 43.85,98.1 43.85,98.8 44.43,99.38 48.72,99.38 49.65,98.45 49.65,69.32 57.62,61.36 57.62,61.19 57.89,60.92 58.06,60.92 62.7,56.28 68,56.28 69.33,54.95 69.92,54.95 70.53,55.55 70.54,55.55 70.56,55.58 71.15,55.58 71.18,55.55 71.77,55.55 v1(72.46,54.86)
  Bottom w0.104: v2(45.08,96) 45.27,95.8 45.27,95.68 44.78,95.18 R145.1 45.24,94.69 45.24,93.89 45.07,93.72 44.92,93.72 v2(44.73,93.52)
HDMI_TX_D0_N: length 74.9
  Top w0.104: v2(43.2,93.55) 43.55,93.2 J10.9
  Bottom w0.104: v1(70.86,54.04) 70.86,54.16 70.57,54.16 70.35,54.37 69.42,54.37 69.38,54.41 69.08,54.41 69.04,54.37 57.63,54.37 50.58,61.42 50.58,89.02 50.44,89.16 50.44,89.36 49.72,90.08 49.72,91.45 49.72,92.38 49.72,92.58 arc(49.66,92.73) 49.5,92.8 49.12,92.8 arc(48.71,92.97) 48.55,93.38 48.55,93.58 arc(48.71,93.98) 49.12,94.15 50.33,94.15 arc(50.48,94.22) 50.55,94.38 50.55,94.58 arc(50.48,94.73) 50.33,94.8 50.3,94.8 arc(49.89,94.97) 49.72,95.38 49.55,95.55 48.13,96.97 47.36,96.97 arc(47.2,96.91) 47.13,96.75 arc(47.07,96.59) 46.91,96.53 46.76,96.53 arc(46.6,96.59) 46.53,96.75 arc(46.47,96.91) 46.31,96.97 46.19,96.97 arc(46.02,96.9) 45.95,96.73 45.95,96.7 arc(45.88,96.53) 45.71,96.46 45.59,96.46 arc(45.42,96.53) 45.35,96.7 45.35,96.73 arc(45.28,96.9) 45.11,96.97 44.71,96.97 arc(44.64,96.94) 44.61,96.87 arc(44.58,96.8) 44.51,96.77 44.11,96.77 arc(44.04,96.8) 44.01,96.87 arc(43.98,96.94) 43.91,96.97 43.27,96.97 43.02,96.72 43.02,96.39 43.05,96.36 43.05,95.85 R146.1 43.2,94.6 v2(43.2,93.55)
  Bottom w0.2: v1(70.86,54.04) 70.86,54.12
